# KiCad board LI_ION_charger_5Vout.kicad_pcb (continued)
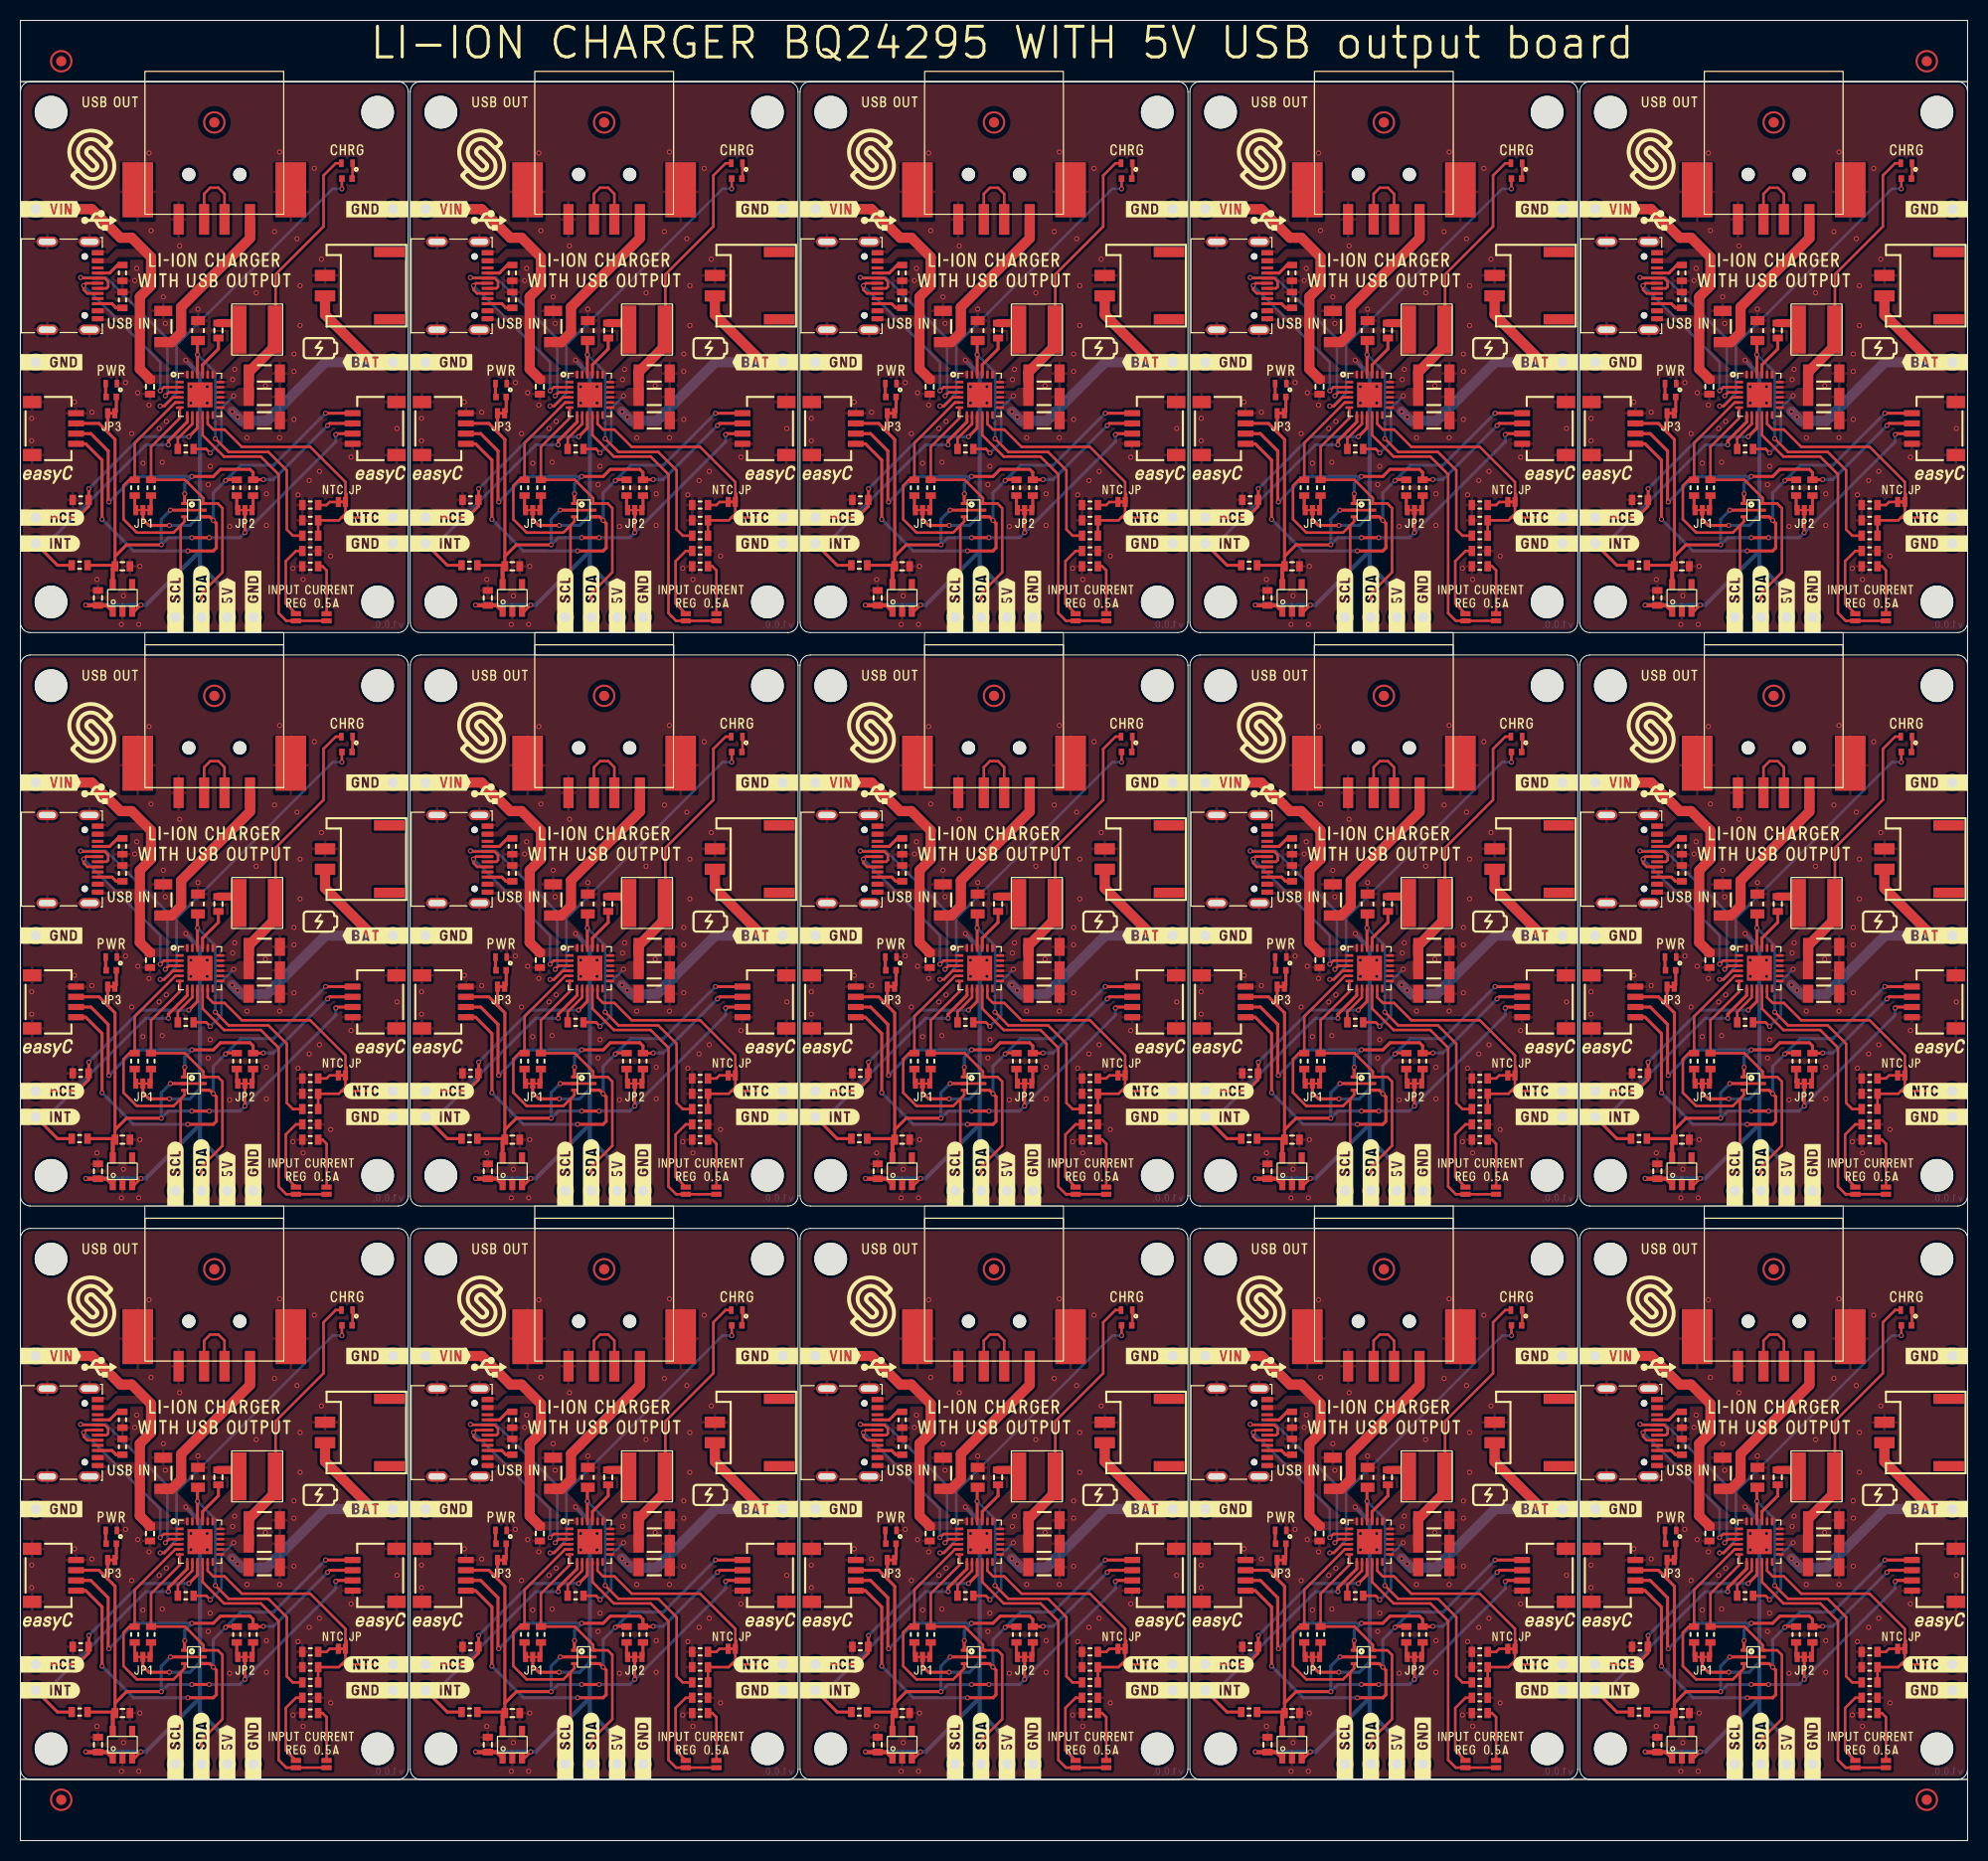
[diagram p0: board, top side]
## Routing (per net, layer and track width the routed paths; a pad name or vN(x,y) marks a point on that pad's centre or on a via; arc(x,y) is an arc through that point) (continued)
Net-(D2-Pad1): length 19.8
  Top w0.3: R16#8.2 122.95,141.55 D2#13.1 ; D2#12.1 46.55,141.55 R16.2 ; R16#13.2 8.35,29.15 D2.1 ; R16#7.2 46.55,29.15 D2#10.1 ; R16#11.2 8.35,85.35 D2#4.1 ; D2#14.1 84.75,85.35 R16#6.2 ; D2#8.1 84.75,29.15 R16#4.2 ; D2#6.1 122.95,85.35 R16#2.2 ; D2#3.1 84.75,141.55 R16#14.2 ; R16#9.2 161.15,85.35 D2#15.1 ; D2#7.1 161.15,141.55 R16#15.2 ; D2#5.1 46.55,85.35 R16#5.2 ; D2#11.1 8.35,141.55 R16#10.2 ; D2#2.1 161.15,29.15 R16#12.2 ; D2#9.1 122.95,29.15 R16#3.2
Net-(JP2-Pad2): length 31.5
  Top w0.254: R5#12.1 144.6,74.7 144.9,75 JP2#8.2 ; R5#13.1 30,74.7 30.3,75 JP2#14.2 ; R5#3.1 68.2,18.5 68.5,18.8 JP2#10.2 ; R5#2.1 144.6,130.9 144.9,131.2 JP2#13.2 ; JP2#11.2 144.9,18.8 144.6,18.5 R5#14.1 ; JP2#9.2 68.5,75 68.2,74.7 R5#6.1 ; JP2.2 106.7,131.2 106.4,130.9 R5#11.1 ; JP2#4.2 183.1,18.8 182.8,18.5 181.98,18.5 ; R5#5.1 106.4,74.7 106.7,75 JP2#5.2 ; R5#7.1 68.2,130.9 68.5,131.2 JP2#12.2 ; JP2#7.2 106.7,18.8 106.4,18.5 R5.1 ; JP2#6.2 183.1,131.2 182.8,130.9 181.98,130.9 ; 181.98,74.7 182.8,74.7 183.1,75 JP2#3.2 ; JP2#2.2 30.3,131.2 30,130.9 R5#9.1 ; JP2#15.2 30.3,18.8 30,18.5 R5#10.1
Net-(JP4-Pad1): length 114.1
  Top w0.254: JP4#3.1 140.6,8.85 140.6,13 141.6,14 R13#7.1 ; R13#14.1 103.4,126.4 102.4,125.4 102.4,121.25 JP4.1 ; JP4#13.1 102.4,65.05 102.4,69.2 103.4,70.2 R13#9.1 ; R13#4.1 27,70.2 26,69.2 26,65.05 JP4#11.1 ; R13#13.1 141.6,126.4 140.6,125.4 140.6,121.25 JP4#8.1 ; R13#3.1 103.4,14 102.4,13 102.4,8.85 JP4#7.1 ; R13#15.1 27,126.4 26,125.4 26,121.25 JP4#4.1 ; JP4#9.1 178.8,65.05 178.8,69.2 179.8,70.2 R13#6.1 ; JP4#15.1 26,8.85 26,13 27,14 R13#12.1 ; R13#11.1 65.2,70.2 64.2,69.2 64.2,65.05 JP4#10.1 ; JP4#5.1 140.6,65.05 140.6,69.2 141.6,70.2 R13#5.1 ; R13.1 179.8,14 178.8,13 178.8,8.85 JP4#14.1 ; JP4#2.1 64.2,121.25 64.2,125.4 65.2,126.4 R13#10.1 ; JP4#6.1 64.2,8.85 64.2,13 65.2,14 R13#8.1 ; R13#2.1 179.8,126.4 178.8,125.4 178.8,121.25 JP4#12.1
Net-(JP5-Pad1): length 78.6
  Top w0.254: R15#11.1 67.8,12.5 68.2,12.1 JP5#5.1 ; JP5#11.1 68.2,68.3 67.8,68.7 R15#15.1 ; R15#2.1 29.6,12.5 30,12.1 JP5#4.1 ; R15#6.1 144.2,12.5 144.6,12.1 JP5.1 ; R15#5.1 106,124.9 106.4,124.5 JP5#13.1 ; R15#12.1 67.8,124.9 68.2,124.5 JP5#7.1 ; 181.98,12.5 182.4,12.5 182.8,12.1 JP5#6.1 ; JP5#9.1 182.8,68.3 182.4,68.7 181.98,68.7 ; JP5#3.1 30,124.5 29.6,124.9 R15.1 ; R15#7.1 144.2,124.9 144.6,124.5 JP5#2.1 ; JP5#15.1 144.6,68.3 144.2,68.7 R15#13.1 ; JP5#12.1 30,68.3 29.6,68.7 R15#9.1 ; JP5#8.1 106.4,12.1 106,12.5 R15#8.1 ; 181.98,124.9 182.4,124.9 182.8,124.5 JP5#14.1 ; JP5#10.1 106.4,68.3 106,68.7 R15#10.1
Net-(JP6-Pad2): length 24.9
  Top w0.3: JP6#14.2 162.2,83.85 R16#9.1 ; JP6#7.2 124,140.05 R16#8.1 ; JP6#13.2 162.2,27.65 R16#12.1 ; JP6#8.2 47.6,27.65 R16#7.1 ; JP6#11.2 85.8,140.05 R16#14.1 ; JP6#15.2 124,83.85 R16#2.1 ; JP6#3.2 9.4,27.65 R16#13.1 ; JP6#4.2 124,27.65 R16#3.1 ; R16#6.1 85.8,83.85 JP6#6.2 ; JP6#5.2 162.2,140.05 R16#15.1 ; JP6#2.2 9.4,140.05 R16#10.1 ; JP6.2 85.8,27.65 R16#4.1 ; JP6#12.2 47.6,140.05 R16.1 ; R16#11.1 9.4,83.85 JP6#10.2 ; R16#5.1 47.6,83.85 JP6#9.2
Net-(K4-PadA5): length 41.3
  Top w0.3: R14#4.1 9.53,154.42 8.74,153.64 7.58,153.64 ; R14.1 9.53,42.02 8.74,41.24 7.58,41.24 ; K4#13.A5 161.54,41.24 162.32,42.02 R14#12.1 ; K4#10.A5 46.94,97.44 47.72,98.22 48.2,98.22 ; 124.6,98.22 124.12,98.22 123.34,97.44 122.18,97.44 ; K4#7.A5 46.94,41.24 47.72,42.02 R14#7.1 ; 10,98.22 9.53,98.22 8.74,97.44 7.58,97.44 ; K4#8.A5 161.54,97.44 162.32,98.22 162.8,98.22 ; R14#2.1 85.93,42.02 85.14,41.24 K4#6.A5 ; R14#3.1 124.12,154.42 123.34,153.64 122.18,153.64 ; K4#9.A5 85.14,153.64 85.93,154.42 R14#13.1 ; 122.18,41.24 123.34,41.24 124.12,42.02 R14#15.1 ; K4#2.A5 85.14,97.44 85.93,98.22 86.4,98.22 ; K4#15.A5 46.94,153.64 47.72,154.42 R14#8.1 ; K4#14.A5 161.54,153.64 162.32,154.42 R14#14.1
Net-(K4-PadB5): length 38.9
  Top w0.3: K4#6.B5 85.36,38.24 85.78,37.82 R12#14.1 ; R12.1 123.97,94.02 123.56,94.44 122.18,94.44 ; R12#9.1 162.18,37.82 161.76,38.24 K4#13.B5 ; R12#2.1 9.38,37.82 8.96,38.24 7.58,38.24 ; K4#10.B5 47.16,94.44 47.57,94.02 R12#10.1 ; K4#7.B5 47.16,38.24 47.57,37.82 R12#12.1 ; R12#13.1 47.57,150.22 47.16,150.64 K4#15.B5 ; R12#6.1 9.38,94.02 8.96,94.44 7.58,94.44 ; R12#8.1 85.78,150.22 85.36,150.64 K4#9.B5 ; K4#14.B5 161.76,150.64 162.18,150.22 R12#3.1 ; 7.58,150.64 8.96,150.64 9.38,150.22 R12#5.1 ; R12#15.1 123.97,37.82 123.56,38.24 122.18,38.24 ; R12#7.1 123.97,150.22 123.56,150.64 122.18,150.64 ; K4#2.B5 85.36,94.44 85.78,94.02 R12#11.1 ; K4#8.B5 161.76,94.44 162.18,94.02 R12#4.1
Net-(K12-Pad2): length 112.5
  Top w0.254: K12#12.2 58.2,161.4 57.6,162 56.8,162 56.2,161.4 K12#12.3 ; K12#2.2 172.8,161.4 172.2,162 171.4,162 170.8,161.4 K12#2.3 ; K12#7.3 94.4,49 95,49.6 95.8,49.6 96.4,49 K12#7.2 ; K12#4.2 134.6,105.2 134,105.8 133.2,105.8 132.6,105.2 K12#4.3 ; K12#3.3 132.6,161.4 133.2,162 134,162 134.6,161.4 K12#3.2 ; K12#5.2 58.2,49 57.6,49.6 56.8,49.6 56.2,49 K12#5.3 ; K12#10.3 170.8,105.2 171.4,105.8 172.2,105.8 172.8,105.2 K12#10.2 ; K12.2 20,49 19.4,49.6 18.6,49.6 18,49 K12.3 ; K12#8.2 134.6,49 134,49.6 133.2,49.6 132.6,49 K12#8.3 ; K12#6.3 18,105.2 18.6,105.8 19.4,105.8 20,105.2 K12#6.2 ; K12#9.2 20,161.4 19.4,162 18.6,162 18,161.4 K12#9.3 ; K12#11.3 94.4,105.2 95,105.8 95.8,105.8 96.4,105.2 K12#11.2 ; K12#13.2 96.4,161.4 95.8,162 95,162 94.4,161.4 K12#13.3 ; K12#15.2 58.2,105.2 57.6,105.8 56.8,105.8 56.2,105.2 K12#15.3 ; K12#14.3 170.8,49 171.4,49.6 172.2,49.6 172.8,49 K12#14.2

## Copper pours and planes (outline as drawn; the poured copper is in the pictures)
GND on Top, Bottom: 76.2,118.4 38.2,118.4 38.2,172.4 76.2,172.4
GND on Top, Bottom: 190.8,118.4 152.8,118.4 152.8,172.4 190.8,172.4
GND on Top, Bottom: 76.2,6 38.2,6 38.2,60 76.2,60
GND on Top, Bottom: 152.6,118.4 114.6,118.4 114.6,172.4 152.6,172.4
GND on Top, Bottom: 76.2,62.2 38.2,62.2 38.2,116.2 76.2,116.2
GND on Top, Bottom: 114.4,118.4 76.4,118.4 76.4,172.4 114.4,172.4
GND on Top, Bottom: 114.4,62.2 76.4,62.2 76.4,116.2 114.4,116.2
GND on Top, Bottom: 38,62.2 0,62.2 0,116.2 38,116.2
GND on Top, Bottom: 190.8,62.2 152.8,62.2 152.8,116.2 190.8,116.2
GND on Top, Bottom: 38,118.4 0,118.4 0,172.4 38,172.4
GND on Top, Bottom: 190.8,6 152.8,6 152.8,60 190.8,60
GND on Top, Bottom: 152.6,62.2 114.6,62.2 114.6,116.2 152.6,116.2
GND on Top, Bottom: 38,6 0,6 0,60 38,60
GND on Top, Bottom: 152.6,6 114.6,6 114.6,60 152.6,60
GND on Top, Bottom: 114.4,6 76.4,6 76.4,60 114.4,60
VCC on Top: 50.6,99 47.8,99 47.2,98.4 45.2,98.4 45.2,98.9 46.7,98.9 47.6,99.8 50.6,99.8
VCC on Top: 50.6,42.8 47.8,42.8 47.2,42.2 45.2,42.2 45.2,42.7 46.7,42.7 47.6,43.6 50.6,43.6
VCC on Top: 92.9,143.4 91.4,143.4 91.3,143.3 91.3,143.2 91.4,143.1 92.4,143.1 92.4,142.8 88.6,142.8 88.6,143.7 91,143.7 91.3,144 92.9,144
VCC on Top: 12.4,99 9.6,99 9,98.4 7,98.4 7,98.9 8.5,98.9 9.4,99.8 12.4,99.8
VCC on Top: 131.1,87.2 129.6,87.2 129.5,87.1 129.5,87 129.6,86.9 130.6,86.9 130.6,86.6 126.8,86.6 126.8,87.5 129.2,87.5 129.5,87.8 131.1,87.8
VCC on Top: 16.5,143.4 15,143.4 14.9,143.3 14.9,143.2 15,143.1 16,143.1 16,142.8 12.2,142.8 12.2,143.7 14.6,143.7 14.9,144 16.5,144
VCC on Top: 162.1,37.1 163.9,37.1 164.5,36.5 164.5,35.4 163.5,36.4 162,36.4 161.1,37.3 159.8,37.3 159.8,37.8 161.4,37.8
VCC on Top: 54.7,31 53.2,31 53.1,30.9 53.1,30.8 53.2,30.7 54.2,30.7 54.2,30.4 50.4,30.4 50.4,31.3 52.8,31.3 53.1,31.6 54.7,31.6
VCC on Top: 16.5,87.2 15,87.2 14.9,87.1 14.9,87 15,86.9 16,86.9 16,86.6 12.2,86.6 12.2,87.5 14.6,87.5 14.9,87.8 16.5,87.8
VCC on Top: 165.2,155.2 162.4,155.2 161.8,154.6 159.8,154.6 159.8,155.1 161.3,155.1 162.2,156 165.2,156
VCC on Top: 169.3,143.4 167.8,143.4 167.7,143.3 167.7,143.2 167.8,143.1 168.8,143.1 168.8,142.8 165,142.8 165,143.7 167.4,143.7 167.7,144 169.3,144
VCC on Top: 9.3,37.1 11.1,37.1 11.7,36.5 11.7,35.4 10.7,36.4 9.2,36.4 8.3,37.3 7,37.3 7,37.8 8.6,37.8
VCC on Top: 123.9,93.3 125.7,93.3 126.3,92.7 126.3,91.6 125.3,92.6 123.8,92.6 122.9,93.5 121.6,93.5 121.6,94 123.2,94
VCC on Top: 92.9,87.2 91.4,87.2 91.3,87.1 91.3,87 91.4,86.9 92.4,86.9 92.4,86.6 88.6,86.6 88.6,87.5 91,87.5 91.3,87.8 92.9,87.8
VCC on Top: 9.3,149.5 11.1,149.5 11.7,148.9 11.7,147.8 10.7,148.8 9.2,148.8 8.3,149.7 7,149.7 7,150.2 8.6,150.2
VCC on Top: 165.2,99 162.4,99 161.8,98.4 159.8,98.4 159.8,98.9 161.3,98.9 162.2,99.8 165.2,99.8
VCC on Top: 12.4,155.2 9.6,155.2 9,154.6 7,154.6 7,155.1 8.5,155.1 9.4,156 12.4,156
VCC on Top: 162.1,93.3 163.9,93.3 164.5,92.7 164.5,91.6 163.5,92.6 162,92.6 161.1,93.5 159.8,93.5 159.8,94 161.4,94
VCC on Top: 12.4,42.8 9.6,42.8 9,42.2 7,42.2 7,42.7 8.5,42.7 9.4,43.6 12.4,43.6
VCC on Top: 88.8,99 86,99 85.4,98.4 83.4,98.4 83.4,98.9 84.9,98.9 85.8,99.8 88.8,99.8
VCC on Top: 123.9,149.5 125.7,149.5 126.3,148.9 126.3,147.8 125.3,148.8 123.8,148.8 122.9,149.7 121.6,149.7 121.6,150.2 123.2,150.2
VCC on Top: 47.5,93.3 49.3,93.3 49.9,92.7 49.9,91.6 48.9,92.6 47.4,92.6 46.5,93.5 45.2,93.5 45.2,94 46.8,94
VCC on Top: 127,99 124.2,99 123.6,98.4 121.6,98.4 121.6,98.9 123.1,98.9 124,99.8 127,99.8
VCC on Top: 85.7,149.5 87.5,149.5 88.1,148.9 88.1,147.8 87.1,148.8 85.6,148.8 84.7,149.7 83.4,149.7 83.4,150.2 85,150.2
VCC on Top: 85.7,93.3 87.5,93.3 88.1,92.7 88.1,91.6 87.1,92.6 85.6,92.6 84.7,93.5 83.4,93.5 83.4,94 85,94
VCC on Top: 47.5,37.1 49.3,37.1 49.9,36.5 49.9,35.4 48.9,36.4 47.4,36.4 46.5,37.3 45.2,37.3 45.2,37.8 46.8,37.8
VCC on Top: 50.6,155.2 47.8,155.2 47.2,154.6 45.2,154.6 45.2,155.1 46.7,155.1 47.6,156 50.6,156
VCC on Top: 88.8,155.2 86,155.2 85.4,154.6 83.4,154.6 83.4,155.1 84.9,155.1 85.8,156 88.8,156
VCC on Top: 131.1,143.4 129.6,143.4 129.5,143.3 129.5,143.2 129.6,143.1 130.6,143.1 130.6,142.8 126.8,142.8 126.8,143.7 129.2,143.7 129.5,144 131.1,144
VCC on Top: 92.9,31 91.4,31 91.3,30.9 91.3,30.8 91.4,30.7 92.4,30.7 92.4,30.4 88.6,30.4 88.6,31.3 91,31.3 91.3,31.6 92.9,31.6
VCC on Top: 127,42.8 124.2,42.8 123.6,42.2 121.6,42.2 121.6,42.7 123.1,42.7 124,43.6 127,43.6
VCC on Top: 131.1,31 129.6,31 129.5,30.9 129.5,30.8 129.6,30.7 130.6,30.7 130.6,30.4 126.8,30.4 126.8,31.3 129.2,31.3 129.5,31.6 131.1,31.6
VCC on Top: 54.7,143.4 53.2,143.4 53.1,143.3 53.1,143.2 53.2,143.1 54.2,143.1 54.2,142.8 50.4,142.8 50.4,143.7 52.8,143.7 53.1,144 54.7,144
VCC on Top: 9.3,93.3 11.1,93.3 11.7,92.7 11.7,91.6 10.7,92.6 9.2,92.6 8.3,93.5 7,93.5 7,94 8.6,94
VCC on Top: 162.1,149.5 163.9,149.5 164.5,148.9 164.5,147.8 163.5,148.8 162,148.8 161.1,149.7 159.8,149.7 159.8,150.2 161.4,150.2
VCC on Top: 85.7,37.1 87.5,37.1 88.1,36.5 88.1,35.4 87.1,36.4 85.6,36.4 84.7,37.3 83.4,37.3 83.4,37.8 85,37.8
VCC on Top: 88.8,42.8 86,42.8 85.4,42.2 83.4,42.2 83.4,42.7 84.9,42.7 85.8,43.6 88.8,43.6
VCC on Top: 169.3,31 167.8,31 167.7,30.9 167.7,30.8 167.8,30.7 168.8,30.7 168.8,30.4 165,30.4 165,31.3 167.4,31.3 167.7,31.6 169.3,31.6
VCC on Top: 47.5,149.5 49.3,149.5 49.9,148.9 49.9,147.8 48.9,148.8 47.4,148.8 46.5,149.7 45.2,149.7 45.2,150.2 46.8,150.2
VCC on Top: 54.7,87.2 53.2,87.2 53.1,87.1 53.1,87 53.2,86.9 54.2,86.9 54.2,86.6 50.4,86.6 50.4,87.5 52.8,87.5 53.1,87.8 54.7,87.8
VCC on Top: 127,155.2 124.2,155.2 123.6,154.6 121.6,154.6 121.6,155.1 123.1,155.1 124,156 127,156
VCC on Top: 169.3,87.2 167.8,87.2 167.7,87.1 167.7,87 167.8,86.9 168.8,86.9 168.8,86.6 165,86.6 165,87.5 167.4,87.5 167.7,87.8 169.3,87.8
VCC on Top: 16.5,31 15,31 14.9,30.9 14.9,30.8 15,30.7 16,30.7 16,30.4 12.2,30.4 12.2,31.3 14.6,31.3 14.9,31.6 16.5,31.6
VCC on Top: 165.2,42.8 162.4,42.8 161.8,42.2 159.8,42.2 159.8,42.7 161.3,42.7 162.2,43.6 165.2,43.6
VCC on Top: 123.9,37.1 125.7,37.1 126.3,36.5 126.3,35.4 125.3,36.4 123.8,36.4 122.9,37.3 121.6,37.3 121.6,37.8 123.2,37.8
BAT on Top: 174.3,140.1 175.7,140.1 175.7,138.3 174.65,138.3 172.65,140.3 172,140.3 172,140.6 173,140.6 173,140.8 172,140.8 172,141.1 173.3,141.1
BAT on Top: 59.7,27.7 61.1,27.7 61.1,25.9 60.05,25.9 58.05,27.9 57.4,27.9 57.4,28.2 58.4,28.2 58.4,28.4 57.4,28.4 57.4,28.7 58.7,28.7
BAT on Top: 136.1,83.9 137.5,83.9 137.5,82.1 136.45,82.1 134.45,84.1 133.8,84.1 133.8,84.4 134.8,84.4 134.8,84.6 133.8,84.6 133.8,84.9 135.1,84.9
BAT on Top: 21.5,140.1 22.9,140.1 22.9,138.3 21.85,138.3 19.85,140.3 19.2,140.3 19.2,140.6 20.2,140.6 20.2,140.8 19.2,140.8 19.2,141.1 20.5,141.1
BAT on Top: 174.3,27.7 175.7,27.7 175.7,25.9 174.65,25.9 172.65,27.9 172,27.9 172,28.2 173,28.2 173,28.4 172,28.4 172,28.7 173.3,28.7
BAT on Top: 136.1,27.7 137.5,27.7 137.5,25.9 136.45,25.9 134.45,27.9 133.8,27.9 133.8,28.2 134.8,28.2 134.8,28.4 133.8,28.4 133.8,28.7 135.1,28.7
BAT on Top: 59.7,83.9 61.1,83.9 61.1,82.1 60.05,82.1 58.05,84.1 57.4,84.1 57.4,84.4 58.4,84.4 58.4,84.6 57.4,84.6 57.4,84.9 58.7,84.9
BAT on Top: 59.7,140.1 61.1,140.1 61.1,138.3 60.05,138.3 58.05,140.3 57.4,140.3 57.4,140.6 58.4,140.6 58.4,140.8 57.4,140.8 57.4,141.1 58.7,141.1
BAT on Top: 174.3,83.9 175.7,83.9 175.7,82.1 174.65,82.1 172.65,84.1 172,84.1 172,84.4 173,84.4 173,84.6 172,84.6 172,84.9 173.3,84.9
BAT on Top: 97.9,27.7 99.3,27.7 99.3,25.9 98.25,25.9 96.25,27.9 95.6,27.9 95.6,28.2 96.6,28.2 96.6,28.4 95.6,28.4 95.6,28.7 96.9,28.7
BAT on Top: 97.9,140.1 99.3,140.1 99.3,138.3 98.25,138.3 96.25,140.3 95.6,140.3 95.6,140.6 96.6,140.6 96.6,140.8 95.6,140.8 95.6,141.1 96.9,141.1
BAT on Top: 97.9,83.9 99.3,83.9 99.3,82.1 98.25,82.1 96.25,84.1 95.6,84.1 95.6,84.4 96.6,84.4 96.6,84.6 95.6,84.6 95.6,84.9 96.9,84.9
BAT on Top: 136.1,140.1 137.5,140.1 137.5,138.3 136.45,138.3 134.45,140.3 133.8,140.3 133.8,140.6 134.8,140.6 134.8,140.8 133.8,140.8 133.8,141.1 135.1,141.1
BAT on Top: 21.5,27.7 22.9,27.7 22.9,25.9 21.85,25.9 19.85,27.9 19.2,27.9 19.2,28.2 20.2,28.2 20.2,28.4 19.2,28.4 19.2,28.7 20.5,28.7
BAT on Top: 21.5,83.9 22.9,83.9 22.9,82.1 21.85,82.1 19.85,84.1 19.2,84.1 19.2,84.4 20.2,84.4 20.2,84.6 19.2,84.6 19.2,84.9 20.5,84.9
PMID on Top: 167.7,34.6 169.8,32.5 169.8,30.9 169.5,30.9 169.5,31.8 169.1,32.2 167.5,32.2 165.9,33.75 165.9,34.95 167.7,34.95
PMID on Top: 129.5,147 131.6,144.9 131.6,143.3 131.3,143.3 131.3,144.2 130.9,144.6 129.3,144.6 127.7,146.15 127.7,147.35 129.5,147.35
PMID on Top: 91.3,90.8 93.4,88.7 93.4,87.1 93.1,87.1 93.1,88 92.7,88.4 91.1,88.4 89.5,89.95 89.5,91.15 91.3,91.15
PMID on Top: 14.9,90.8 17,88.7 17,87.1 16.7,87.1 16.7,88 16.3,88.4 14.7,88.4 13.1,89.95 13.1,91.15 14.9,91.15
PMID on Top: 14.9,147 17,144.9 17,143.3 16.7,143.3 16.7,144.2 16.3,144.6 14.7,144.6 13.1,146.15 13.1,147.35 14.9,147.35
PMID on Top: 167.7,90.8 169.8,88.7 169.8,87.1 169.5,87.1 169.5,88 169.1,88.4 167.5,88.4 165.9,89.95 165.9,91.15 167.7,91.15
PMID on Top: 167.7,147 169.8,144.9 169.8,143.3 169.5,143.3 169.5,144.2 169.1,144.6 167.5,144.6 165.9,146.15 165.9,147.35 167.7,147.35
PMID on Top: 91.3,34.6 93.4,32.5 93.4,30.9 93.1,30.9 93.1,31.8 92.7,32.2 91.1,32.2 89.5,33.75 89.5,34.95 91.3,34.95
PMID on Top: 129.5,34.6 131.6,32.5 131.6,30.9 131.3,30.9 131.3,31.8 130.9,32.2 129.3,32.2 127.7,33.75 127.7,34.95 129.5,34.95
PMID on Top: 129.5,90.8 131.6,88.7 131.6,87.1 131.3,87.1 131.3,88 130.9,88.4 129.3,88.4 127.7,89.95 127.7,91.15 129.5,91.15
PMID on Top: 14.9,34.6 17,32.5 17,30.9 16.7,30.9 16.7,31.8 16.3,32.2 14.7,32.2 13.1,33.75 13.1,34.95 14.9,34.95
PMID on Top: 53.1,34.6 55.2,32.5 55.2,30.9 54.9,30.9 54.9,31.8 54.5,32.2 52.9,32.2 51.3,33.75 51.3,34.95 53.1,34.95
PMID on Top: 91.3,147 93.4,144.9 93.4,143.3 93.1,143.3 93.1,144.2 92.7,144.6 91.1,144.6 89.5,146.15 89.5,147.35 91.3,147.35
PMID on Top: 53.1,90.8 55.2,88.7 55.2,87.1 54.9,87.1 54.9,88 54.5,88.4 52.9,88.4 51.3,89.95 51.3,91.15 53.1,91.15
PMID on Top: 53.1,147 55.2,144.9 55.2,143.3 54.9,143.3 54.9,144.2 54.5,144.6 52.9,144.6 51.3,146.15 51.3,147.35 53.1,147.35
SYS on Top: 175.7,28.2 174.15,28.2 173.45,28.9 172,28.9 172,29.2 173,29.2 173,29.4 172,29.4 172,29.7 173.85,29.7 174.15,30 175.7,30
SYS on Top: 175.7,140.6 174.15,140.6 173.45,141.3 172,141.3 172,141.6 173,141.6 173,141.8 172,141.8 172,142.1 173.85,142.1 174.15,142.4 175.7,142.4
SYS on Top: 61.1,140.6 59.55,140.6 58.85,141.3 57.4,141.3 57.4,141.6 58.4,141.6 58.4,141.8 57.4,141.8 57.4,142.1 59.25,142.1 59.55,142.4 61.1,142.4
SYS on Top: 99.3,28.2 97.75,28.2 97.05,28.9 95.6,28.9 95.6,29.2 96.6,29.2 96.6,29.4 95.6,29.4 95.6,29.7 97.45,29.7 97.75,30 99.3,30
SYS on Top: 61.1,28.2 59.55,28.2 58.85,28.9 57.4,28.9 57.4,29.2 58.4,29.2 58.4,29.4 57.4,29.4 57.4,29.7 59.25,29.7 59.55,30 61.1,30
SYS on Top: 137.5,140.6 135.95,140.6 135.25,141.3 133.8,141.3 133.8,141.6 134.8,141.6 134.8,141.8 133.8,141.8 133.8,142.1 135.65,142.1 135.95,142.4 137.5,142.4
SYS on Top: 99.3,140.6 97.75,140.6 97.05,141.3 95.6,141.3 95.6,141.6 96.6,141.6 96.6,141.8 95.6,141.8 95.6,142.1 97.45,142.1 97.75,142.4 99.3,142.4
SYS on Top: 22.9,28.2 21.35,28.2 20.65,28.9 19.2,28.9 19.2,29.2 20.2,29.2 20.2,29.4 19.2,29.4 19.2,29.7 21.05,29.7 21.35,30 22.9,30
SYS on Top: 61.1,84.4 59.55,84.4 58.85,85.1 57.4,85.1 57.4,85.4 58.4,85.4 58.4,85.6 57.4,85.6 57.4,85.9 59.25,85.9 59.55,86.2 61.1,86.2
SYS on Top: 22.9,140.6 21.35,140.6 20.65,141.3 19.2,141.3 19.2,141.6 20.2,141.6 20.2,141.8 19.2,141.8 19.2,142.1 21.05,142.1 21.35,142.4 22.9,142.4
SYS on Top: 137.5,28.2 135.95,28.2 135.25,28.9 133.8,28.9 133.8,29.2 134.8,29.2 134.8,29.4 133.8,29.4 133.8,29.7 135.65,29.7 135.95,30 137.5,30
SYS on Top: 137.5,84.4 135.95,84.4 135.25,85.1 133.8,85.1 133.8,85.4 134.8,85.4 134.8,85.6 133.8,85.6 133.8,85.9 135.65,85.9 135.95,86.2 137.5,86.2
SYS on Top: 99.3,84.4 97.75,84.4 97.05,85.1 95.6,85.1 95.6,85.4 96.6,85.4 96.6,85.6 95.6,85.6 95.6,85.9 97.45,85.9 97.75,86.2 99.3,86.2
SYS on Top: 175.7,84.4 174.15,84.4 173.45,85.1 172,85.1 172,85.4 173,85.4 173,85.6 172,85.6 172,85.9 173.85,85.9 174.15,86.2 175.7,86.2
SYS on Top: 22.9,84.4 21.35,84.4 20.65,85.1 19.2,85.1 19.2,85.4 20.2,85.4 20.2,85.6 19.2,85.6 19.2,85.9 21.05,85.9 21.35,86.2 22.9,86.2
Net-(C4-Pad2) on Top: 174.25,33.4 171.8,30.95 171.8,30.9 171.5,30.9 171.5,31.8 171.3,31.8 171.3,30.9 171,30.9 171,32.05 173.55,34.6 174.25,34.6
Net-(C4-Pad2) on Top: 21.45,33.4 19,30.95 19,30.9 18.7,30.9 18.7,31.8 18.5,31.8 18.5,30.9 18.2,30.9 18.2,32.05 20.75,34.6 21.45,34.6
Net-(C4-Pad2) on Top: 97.85,33.4 95.4,30.95 95.4,30.9 95.1,30.9 95.1,31.8 94.9,31.8 94.9,30.9 94.6,30.9 94.6,32.05 97.15,34.6 97.85,34.6
Net-(C4-Pad2) on Top: 136.05,145.8 133.6,143.35 133.6,143.3 133.3,143.3 133.3,144.2 133.1,144.2 133.1,143.3 132.8,143.3 132.8,144.45 135.35,147 136.05,147
Net-(C4-Pad2) on Top: 21.45,145.8 19,143.35 19,143.3 18.7,143.3 18.7,144.2 18.5,144.2 18.5,143.3 18.2,143.3 18.2,144.45 20.75,147 21.45,147
Net-(C4-Pad2) on Top: 59.65,145.8 57.2,143.35 57.2,143.3 56.9,143.3 56.9,144.2 56.7,144.2 56.7,143.3 56.4,143.3 56.4,144.45 58.95,147 59.65,147
Net-(C4-Pad2) on Top: 59.65,89.6 57.2,87.15 57.2,87.1 56.9,87.1 56.9,88 56.7,88 56.7,87.1 56.4,87.1 56.4,88.25 58.95,90.8 59.65,90.8
Net-(C4-Pad2) on Top: 97.85,89.6 95.4,87.15 95.4,87.1 95.1,87.1 95.1,88 94.9,88 94.9,87.1 94.6,87.1 94.6,88.25 97.15,90.8 97.85,90.8
Net-(C4-Pad2) on Top: 136.05,89.6 133.6,87.15 133.6,87.1 133.3,87.1 133.3,88 133.1,88 133.1,87.1 132.8,87.1 132.8,88.25 135.35,90.8 136.05,90.8
Net-(C4-Pad2) on Top: 174.25,145.8 171.8,143.35 171.8,143.3 171.5,143.3 171.5,144.2 171.3,144.2 171.3,143.3 171,143.3 171,144.45 173.55,147 174.25,147
Net-(C4-Pad2) on Top: 21.45,89.6 19,87.15 19,87.1 18.7,87.1 18.7,88 18.5,88 18.5,87.1 18.2,87.1 18.2,88.25 20.75,90.8 21.45,90.8
Net-(C4-Pad2) on Top: 59.65,33.4 57.2,30.95 57.2,30.9 56.9,30.9 56.9,31.8 56.7,31.8 56.7,30.9 56.4,30.9 56.4,32.05 58.95,34.6 59.65,34.6
Net-(C4-Pad2) on Top: 136.05,33.4 133.6,30.95 133.6,30.9 133.3,30.9 133.3,31.8 133.1,31.8 133.1,30.9 132.8,30.9 132.8,32.05 135.35,34.6 136.05,34.6
Net-(C4-Pad2) on Top: 174.25,89.6 171.8,87.15 171.8,87.1 171.5,87.1 171.5,88 171.3,88 171.3,87.1 171,87.1 171,88.25 173.55,90.8 174.25,90.8
Net-(C4-Pad2) on Top: 97.85,145.8 95.4,143.35 95.4,143.3 95.1,143.3 95.1,144.2 94.9,144.2 94.9,143.3 94.6,143.3 94.6,144.45 97.15,147 97.85,147

## Text on the board
F.Silkscreen: LI-ION CHARGER BQ24295 WITH 5V USB output board
User.8: V-CUT
User.9: CUTOUT
